# Altium PCB beter.PcbDoc
Units mil, origin at the board's own origin, x right, y up, seen from the top; angles counter-clockwise.
Board outline 6250 x 3150 mil, 2 copper layers (Top Layer, Bottom Layer); 76 components, 74 nets, 285 pads, 42 vias.
Unrouted connection lines stored in the file: 3.
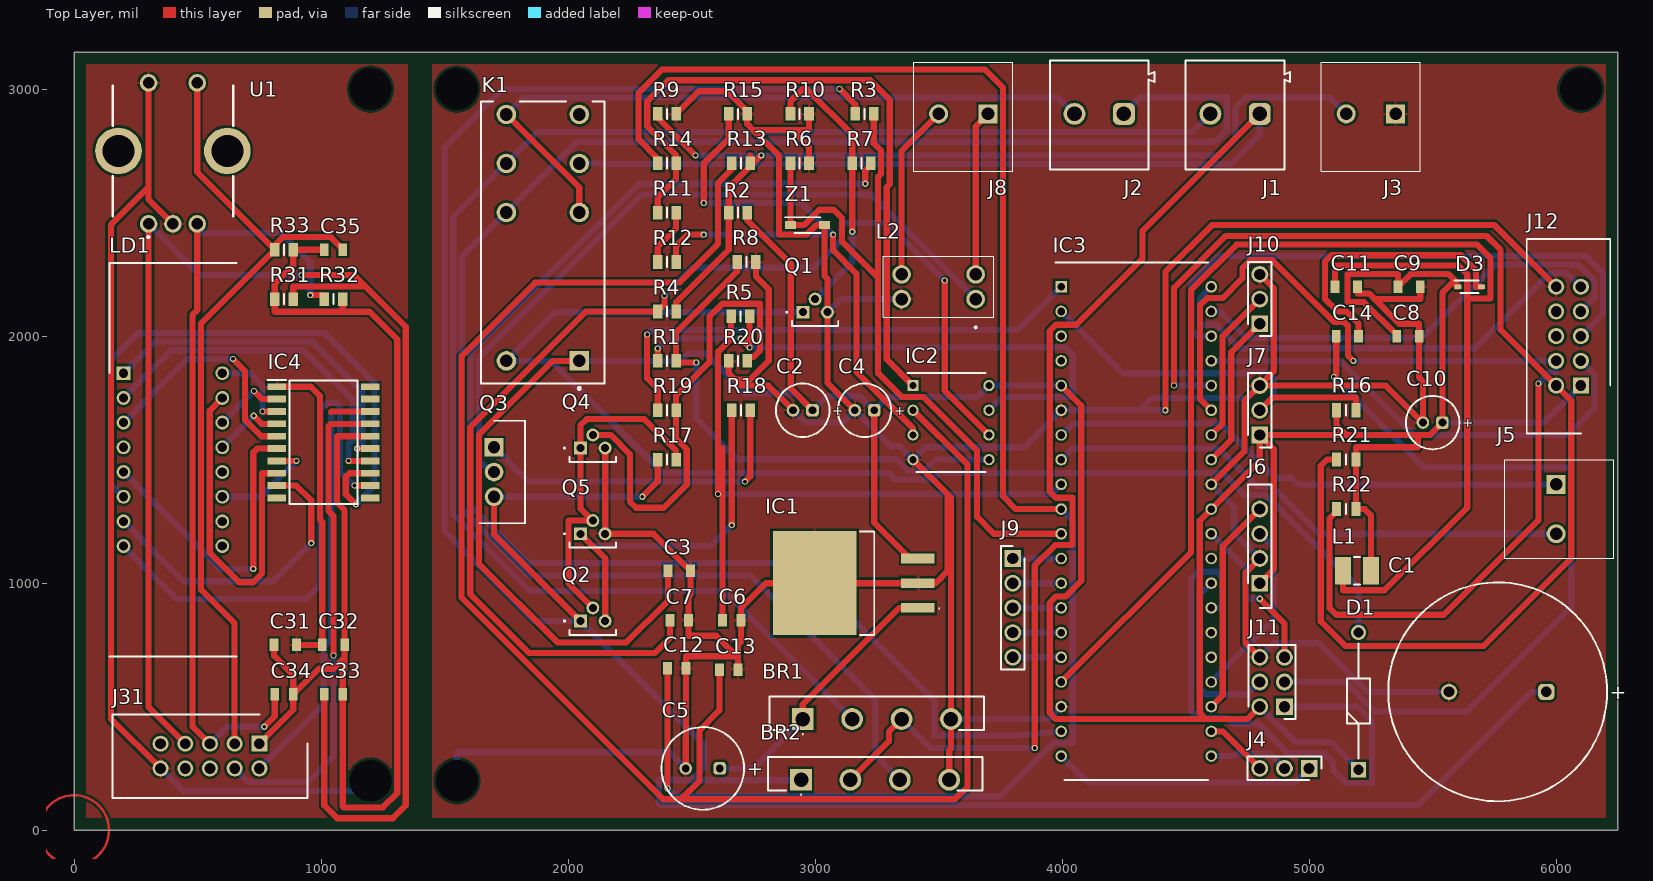
[diagram p0: Top Layer view]
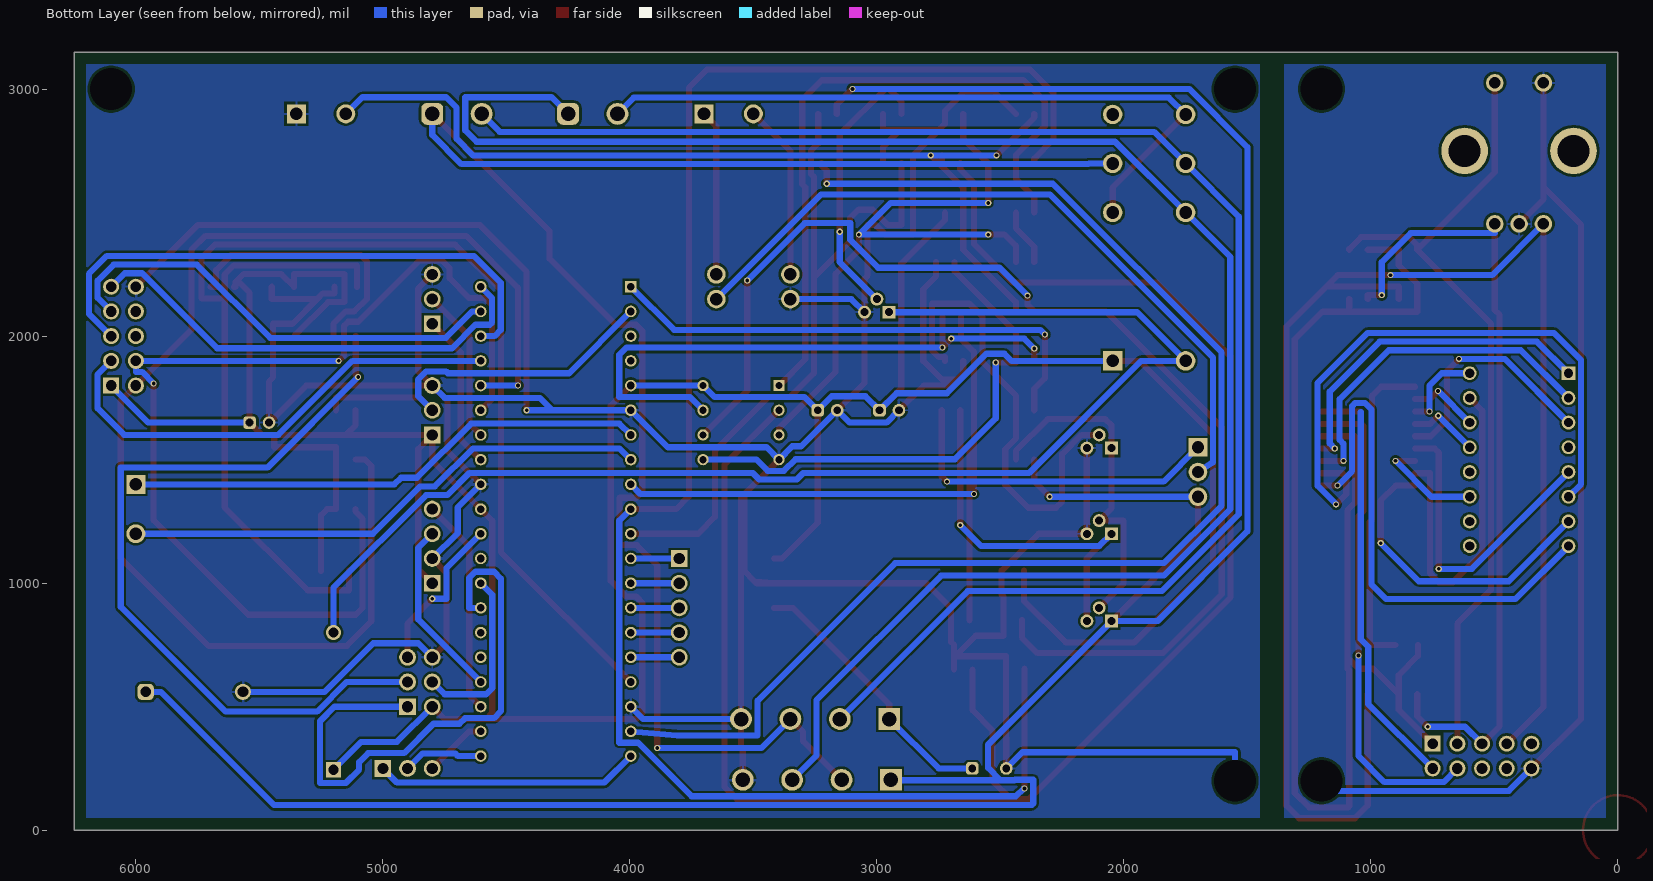
[diagram p1: Bottom Layer view, seen from below]
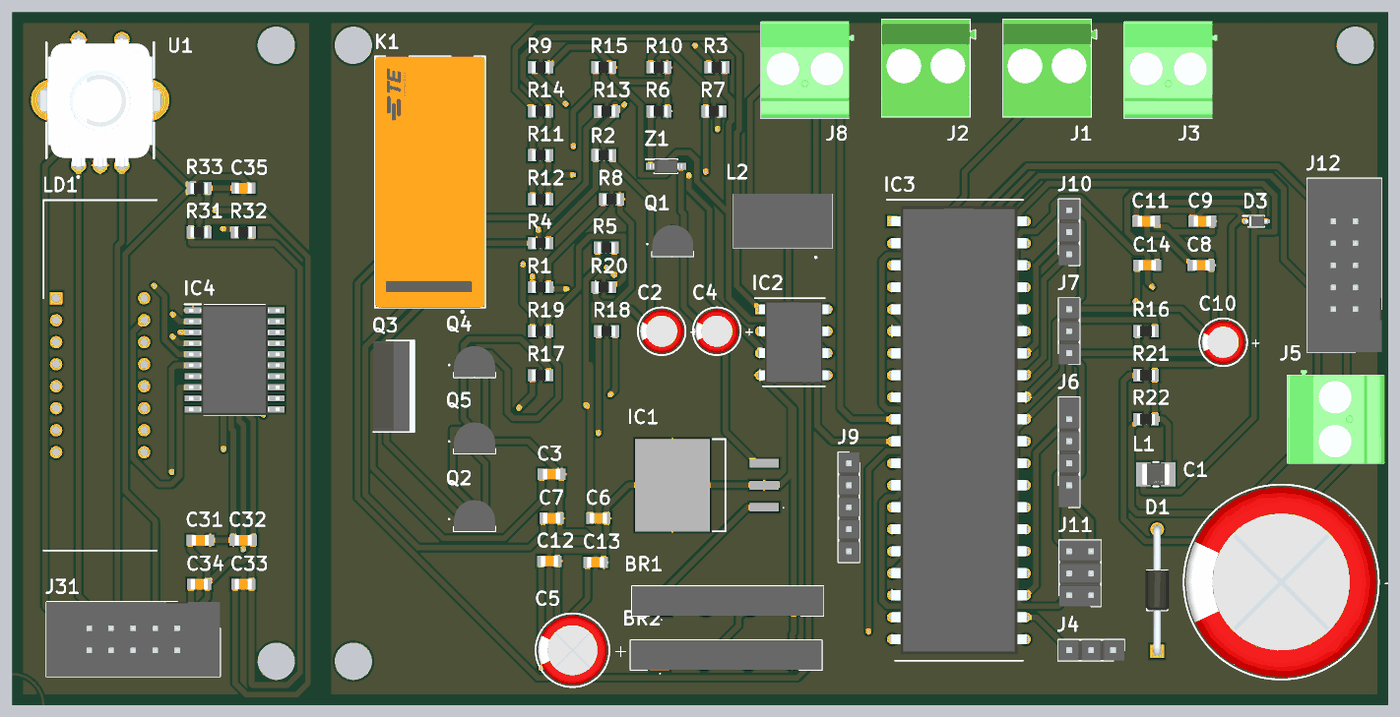
[diagram p2: 3D render of the assembled board from above, using the file's embedded part models]

## Layer stack, top to bottom
Top Solder: solder mask 0.4, Solder Resist, Dk 3.5
Top Layer: signal copper 1.4
Dielectric 1: dielectric 12.6, FR-4, Dk 4.8
Bottom Layer: signal copper 1.4
Bottom Solder: solder mask 0.4, Solder Resist, Dk 3.5

## Board outline
0,0 6250,0 6250,3150 0,3150
board region "Default Layer Stack Region": 1400,0 0,0 0,3150 1400,3150
board region "Default Layer Stack Region": 1400,3150 6250,3150 6250,0 1400,0

## Design rules (kind name [scope] priority, off if disabled: settings)
Clearance Clearance_1 [InNamedPolygon('GND_L01_P000') Or InNamedPolygon('GND_L01_P001') Or InNamedPolygon('GND_L02_P002') Or InNamedPolygon('GND_L02_P003')] p1: gap=10 ignorepadtopadclearanceinfootprint=FALSE except(0: Arc-Hole Track-Hole SMDPad-Hole THPad-Hole Via-Hole Fill-Hole Poly-Hole Region-Hole Text-Hole)
Clearance [All] p2: gap=1 ignorepadtopadclearanceinfootprint=FALSE except(0: Arc-Hole Track-Hole SMDPad-Hole THPad-Hole Via-Hole Fill-Hole Poly-Hole Region-Hole Text-Hole; 10: Arc-Arc Arc-Track Arc-SMDPad Arc-THPad Arc-Via Arc-Fill Arc-Poly Arc-Region Arc-Text Track-Track Track-SMDPad Track-THPad Track-Via Track-Fill Track-Poly Track-Region Track-Text)
HoleSize [All] p1: absolutevalues=TRUE maxlimit=393.7 minlimit=0.98 maxpercent=80.000 minpercent=20.000
PolygonConnect [All] p1: connectstyle=Relief reliefconductorwidth=10 reliefentries=4 polygonreliefangle="90 Angle" airgapwidth=10
RoutingVias [All] p1: holewidth=15 width=25 viastyle="Through Hole" minholewidth=15 minwidth=25 maxholewidth=15 maxwidth=25
SolderMaskExpansion [All] p1: expansion=4 istentingtop=FALSE
Width [All] p1: maxlimit=50 minlimit=25 preferedwidth=25 minimp=50.000000 maximp=50.000000 favimp=50.000000
29 further rules are at their usual default settings.

## Classes and differential pairs
component class Voeding: BR1 BR2 C1 C4 C5 D1 IC1 J1 J2 K1 Q1 R3 R6 R7 R10 Z1
component class Processor: C8 C9 C10 C11 C14 D3 IC3 J4 J5 J6 J7 J9 J10 J11 J12 L1 R16 R21 R22
component class Opamp: C2 C3 C6 C7 C12 C13 IC2 J3 R1 R2 R4 R5 R8 R9 R11 R12 R13 R14 R15
component class Display: C31 C32 C33 C34 C35 IC4 J31 LD1 R31 R32 R33 U1
component class BoutVoeding: J8 L2 Q2 Q3 Q4 Q5 R17 R18 R19 R20

## Components (designator, comment, footprint, x,y, rotation, side; value= is the part's Value field where it differs from the comment)
BR1 "GBU6J-E3_45" "Bridge rectifier" 2950,450 r180 top
BR2 "GBU6J-E3_45" "Bridge rectifier" 2942.89,204 r180 top
C1 "ESK478M050AQ3AA" "4700µF 50V" 5763.15,560 r0 top
C2 "EEU-FR1H100" "10µF 50V" 2950,1700 r0 top
C3 "C0805C104K5RAC7411" 100nF 2450,1050 r0 top
C4 "EEU-FR1H100" "10µF 50V" 3200,1700 r0 top
C5 "EEU-FR1H100" 100µF 2545,250 r0 top
C6 "C0805C103K5TACAUTO" 10nF 2662.6,850 r0 top
C7 "C0805C103K5TACAUTO" 10nF 2450,850 r0 top
C8 "C0805C104K5RAC7411" 100nF 5400,2000 r0 top
C9 "C0805C104K5RAC7411" 100nF 5404.72,2200 r0 top
C10 "EEU-FR1H100" "10µF 50V" 5500,1650 r0 top
C11 "C0805C104K5RAC7411" 100nF 5150,2200 r0 top
C12 "C0805C103K5TACAUTO" 10nF 2440,655 r0 top
C13 "C0805C103K5TACAUTO" 10nF 2650,650 r0 top
C14 "C0805C104K5RAC7411" 100nF 5154.72,2000 r0 top
C31 "C0805C104K5RAC7411" 100nF 854.72,750 r0 top
C32 "C0805C104K5RAC7411" 100nF 1050,750 r180 top
C33 "C0805C103K5TACAUTO" 10nF 1050,550 r180 top
C34 "C0805C103K5TACAUTO" 10nF 850,550 r180 top
C35 "C0805C103K5TACAUTO" 10nF 1050,2350 r0 top
D1 "1N4007G-T" D1 5200,244.88 r90 top
D3 "1N4148WS_R1_00001" SODFL2512X95N 5650,2200 r0 top
IC1 "TL780-05CKTTR" IC1 3150,1000 r90 top
IC2 "MCP6002-E_P" DIP781W56P254L950H533Q8N 3550,1650 r0 top
IC3 "ATMEGA4809-PF" DIP1543W58P254L5175H635Q40N 4300,1250 r0 top
IC4 "TM1637" DisplayIC 1010,1570 r0 top
J1 "1711725" Phoenix 4700,2896.06 r180 top
J2 "1711725" Phoenix 4150,2896.06 r180 top
J3 "1711725" 1711725 5350,2900 r180 top
J4 "10129378-903001BLF" HDRV3W67P0X254_1X3_762X241X858P 5000,250 r180 top
J5 "1711725" 1711725 6000,1400 r270 top (schematic designator 5)
J6 "10129378-904001BLF" HDRV4W67P0X254_1X4_1270X241X858P 4800,1000 r90 top
J7 "10129378-903001BLF" HDRV3W67P0X254_1X3_762X241X858P 4800,1600 r90 top
J8 "1711725" 1711725 3700,2900 r180 top
J9 "10129378-905001BLF" HDRV5W67P0X254_1X5_1270X241X858P 3800,1100 r270 top
J10 "10129378-903001BLF" HDRV3W67P0X254_1X3_762X241X858P 4800,2050 r90 top
J11 "10129381-906002BLF" HDRV6W67P254_2X3_762X483X858P 4900,500 r90 top
J12 "N2510-6002RB" 1PinBox 6100,1800 r90 top
J31 "N2510-6002RB" SHDR10W64P254_2X5_2002X859X991P 750,350 r180 top
K1 "RT424615" FP-RT424615-MFG 1897.64,2378.35 r90 top
L1 "CBC3225T100MR" FP-CB3225-IPC_A 5193.86,1050 r0 top
L2 "CM2545X171B-10" CM2545X171B10 3650,2150 r90 top
LD1 "TDCG1050M" Display 200,1850 r0 top
Q1 "BC547CBU" TTTT 2950,2096.85 r0 top
Q2 "BC547CBU" TTTT 2050,846.85 r0 top
Q3 "IRF9Z34NPBF" T2 1700,1550 r270 top
Q4 "BC547CBU" TTTT 2050,1546.85 r0 top
Q5 "BC557BTA" TTTT 2050,1200 r0 top
R1 "CRCW080510K0DHEAP" Resistor 2400,1900 r0 top
R2 "CR0805-JW-105ELF" Resistor 2687.4,2500 r0 top
R3 "CRCW080510K0DHEAP" Resistor 3200,2900 r0 top
R4 "CRCW08055K60FKTA" Resistor 2400,2100 r0 top
R5 "CRCW08055K60FKTA" Resistor 2697.4,2080 r0 top
R6 "CRCW080510K0DHEAP" Resistor 2937.4,2700 r0 top
R7 "CRCW080510K0DHEAP" Resistor 3187.4,2700 r0 top
R8 "CPF0805B18KE" Resistor 2722.6,2300 r0 top
R9 "CR0805-JW-105ELF" Resistor 2400,2900 r0 top
R10 "CRCW08054K70FKEAHP" Resistor 2937.4,2900 r0 top
R11 "CRCW080510K0DHEAP" Resistor 2400,2500 r0 top
R12 "CRCW080510K0DHEAP" Resistor 2400,2300 r0 top
R13 "CRCW08055K60FKTA" Resistor 2700,2700 r0 top
R14 "CRCW08055K60FKTA" Resistor 2400,2700 r0 top
R15 "CPF0805B18KE" Resistor 2687.4,2900 r0 top
R16 "CRCW08054K70FKEAHP" RESC2012X50N 5150,1700 r0 top
R17 "CRCW08054K70FKEAHP" Resistor 2400,1500 r0 top
R18 "CPF0805B18KE" Resistor 2700,1700 r0 top
R19 "CRCW080510K0DHEAP" Resistor 2400,1700 r0 top
R20 "CRCW08054K70FKEAHP" Resistor 2687.4,1900 r180 top
R21 "CRCW08054K70FKEAHP" RESC2012X50N 5150,1500 r0 top
R22 "CRCW08054K70FKEAHP" RESC2012X50N 5150,1300 r0 top
R31 "CRCW080510K0DHEAP" Resistor 850,2150 r0 top
R32 "CRCW080510K0DHEAP" Resistor 1050,2150 r180 top
R33 "CRCW080510K0DHEAP" Resistor 850,2350 r180 top
U1 "PEC11R-4225F-S0024" PEC12R-4XXXF-SXXXX_1 400,2750 r0 top
Z1 "SZMMSZ5231BT1G" Zener 2968.9,2450 r0 top

## Footprints (in the part's own frame and the unit in brackets; to place one, negate y for a bottom-side part, rotate by r counter-clockwise, add the part's x,y. Pads: shape width x height; smd on the part's side, far side on the other; paste and mask are expansions set on the pad)
1PinBox [mm]
  rect 1.65x1.65 hole 1.1: 1(0,0)
  round 1.65 hole 1.1: 2(0,2.54) 3(2.54,0) 4(2.54,2.54) 5(5.08,0) 6(5.08,2.54) 7(7.62,0) 8(7.62,2.54) 9(10.16,0) 10(10.16,2.54)
  silkscreen extent -4.93,-3.02 15.09,5.56, body extent -4.93,-3.03 15.09,5.57, height 9.91
10nF [mm] "Ceramic Capacitors, body 2x1.25mm"
  rect 0.9x1.3 smd: 1(-0.95,0) 2(0.95,0)
  body extent -1,-0.62 1,0.63, height 0.8
"10µF 50V" [mm] "Aluminum Electrolytic Capacitors, 5x11mm"
  rrect50% 1.3x1.3 hole 0.8: 1(1,0)
  round 1.3 hole 0.8: 2(-1,0)
  silkscreen extent -2.75,-2.75 2.75,2.75, body extent -2.49,-2.5 2.5,2.5, height 11.31
100nF [mm] "Ceramic Capacitors, body 2x1.25mm"
  rect 0.9x1.3 smd: 1(-1.15,0) 2(1.15,0)
  body extent -1,-0.63 1,0.63, height 0.8
100µF [mm] "Aluminum Electrolytic Capacitors, 8x11.5mm"
  rrect50% 1.3x1.3 hole 0.8: 1(1.75,0)
  round 1.3 hole 0.8: 2(-1.75,0)
  silkscreen extent -4.25,-4.25 4.25,4.25, body extent -3.99,-4 4,4, height 11.81
"4700µF 50V" [mm] "Aluminum Electrolytic Capacitors, 22x41mm"
  rrect50% 1.65x1.65 hole 1.1: 1(5,0)
  round 1.65 hole 1.1: 2(-5,0)
  silkscreen extent -11.25,-11.25 11.25,11.25, body extent -10.99,-11 11,11, height 41.31
1711725 [mm]
  rect 1.95x1.95 hole 1.3: 1(0,0)
  round 1.95 hole 1.3: 2(5.08,0)
  silkscreen extent -2.54,-5.3 7.62,5.9, body extent -3.12,-5.3 7.61,5.9, height 18.41
"Bridge rectifier" [mm]
  rect 2.235x2.235 hole 1.49: 1(0,0)
  round 2.235 hole 1.49: 2(-5.08,0) 3(-10.16,0) 4(-15.24,0)
  silkscreen extent -18.65,-2.32 3.41,1.6, body extent -18.65,-2.32 3.4,1.11, height 18.9
CM2545X171B10 [mil]
  round 75 hole 50: 1(0,0) 2(100,0) 3(100,300) 4(0,300)
  silkscreen extent -118,-74 174,374, body extent -74,-74 174,374, height 378
D1 [mm]
  rect 1.575x1.575 hole 1.05: 1(0,0)
  round 1.575 hole 1.05: 2(14.1,0)
  silkscreen extent 1.14,-1.18 12.96,1.18, body extent -0.43,-1.36 14.51,1.36, height 2.71
DIP781W56P254L950H533Q8N [mm]
  rect 1.158x1.158 hole 0.758: 1(-3.905,3.81)
  round 1.158 hole 0.758: 2(-3.905,1.27) 3(-3.905,-1.27) 4(-3.905,-3.81) 5(3.905,-3.81) 6(3.905,-1.27) 7(3.905,1.27) 8(3.905,3.81)
  silkscreen extent -4.48,-5.08 3.56,5.08, body extent -4.04,-4.75 4.04,4.75, height 5.33
DIP1543W58P254L5175H635Q40N [mm]
  rect 1.184x1.184 hole 0.784: 1(-7.715,24.13)
  round 1.184 hole 0.784: 2(-7.715,21.59) 3(-7.715,19.05) 4(-7.715,16.51) 5(-7.715,13.97) 6(-7.715,11.43) 7(-7.715,8.89) 8(-7.715,6.35) 9(-7.715,3.81) 10(-7.715,1.27) 11(-7.715,-1.27) 12(-7.715,-3.81) 13(-7.715,-6.35) 14(-7.715,-8.89) 15(-7.715,-11.43) 16(-7.715,-13.97) 17(-7.715,-16.51) 18(-7.715,-19.05) 19(-7.715,-21.59) 20(-7.715,-24.13) 21(7.715,-24.13) 22(7.715,-21.59) 23(7.715,-19.05) 24(7.715,-16.51) 25(7.715,-13.97) 26(7.715,-11.43) 27(7.715,-8.89) 28(7.715,-6.35) 29(7.715,-3.81) 30(7.715,-1.27) 31(7.715,1.27) 32(7.715,3.81) 33(7.715,6.35) 34(7.715,8.89) 35(7.715,11.43) 36(7.715,13.97) 37(7.715,16.51) 38(7.715,19.05) 39(7.715,21.59) 40(7.715,24.13)
  silkscreen extent -8.31,-26.61 7.37,26.61, body extent -7.86,-25.88 7.86,25.88, height 6.35
Display [mm]
  rect 1.425x1.425 hole 0.95: 1(0,0)
  round 1.425 hole 0.95: 2(0,-2.54) 3(0,-5.08) 4(0,-7.62) 5(0,-10.16) 6(0,-12.7) 7(0,-15.24) 8(0,-17.78) 9(10.16,-17.78) 10(10.16,-15.24) 11(10.16,-12.7) 12(10.16,-10.16) 13(10.16,-7.62) 14(10.16,-5.08) 15(10.16,-2.54) 16(10.16,0)
  silkscreen extent -1.45,-29.12 11.61,11.34
DisplayIC [mm]
  rect 1.9x0.7 smd: 1(-4.8,5.715) 2(-4.8,4.445) 3(-4.8,3.175) 4(-4.8,1.905) 5(-4.8,0.635) 6(-4.8,-0.635) 7(-4.8,-1.905) 8(-4.8,-3.175) 9(-4.8,-4.445) 10(-4.8,-5.715) 11(4.8,-5.715) 12(4.8,-4.445) 13(4.8,-3.175) 14(4.8,-1.905) 15(4.8,-0.635) 16(4.8,0.635) 17(4.8,1.905) 18(4.8,3.175) 19(4.8,4.445) 20(4.8,5.715)
  silkscreen extent -5.75,-6.35 3.5,6.42, body extent -5.23,-6.35 5.23,6.35, height 2.8
FP-CB3225-IPC_A [mil]
  rect 65.14x110.48 smd paste+0 mask+0: 1(-56.14,0) 2(56.14,0)
  silkscreen extent -12,-55 12,55, body extent -108,-75 108,75, height 10
FP-RT424615-MFG [mm]
  round 2 hole 1.3 paste-1000 mask+0: 11(8.15,-3.75) 12(3.11,-3.75) 14(13.19,-3.75) 21(8.15,3.75) 22(3.11,3.75) 24(13.19,3.75) A2(-12.15,3.75)
  rect 2x2 hole 1.3 paste-1000 mask+0: A1(-12.15,-3.75)
  silkscreen extent -15.1,-6.35 14.5,6.35, body extent -14.6,-6.45 14.6,6.45, height 0.25
HDRV3W67P0X254_1X3_762X241X858P [mm]
  rect 1.725x1.725 hole 1.15: 1(0,0)
  round 1.725 hole 1.15: 2(2.54,0) 3(5.08,0)
  silkscreen extent -1.27,-1.2 6.35,1.2, body extent -1.27,-1.2 6.35,1.2, height 8.58
HDRV4W67P0X254_1X4_1270X241X858P [mm]
  rect 1.725x1.725 hole 1.15: 1(0,0)
  round 1.725 hole 1.15: 2(2.54,0) 3(5.08,0) 4(7.62,0)
  silkscreen extent -2.54,-1.2 10.16,1.2, body extent -2.54,-1.2 10.16,1.2, height 8.58
HDRV5W67P0X254_1X5_1270X241X858P [mm]
  rect 1.725x1.725 hole 1.15: 1(0,0)
  round 1.725 hole 1.15: 2(2.54,0) 3(5.08,0) 4(7.62,0) 5(10.16,0)
  silkscreen extent -1.27,-1.2 11.43,1.2, body extent -1.27,-1.2 11.43,1.2, height 8.58
HDRV6W67P254_2X3_762X483X858P [mm]
  rect 1.725x1.725 hole 1.15: 1(0,0)
  round 1.725 hole 1.15: 2(0,2.54) 3(2.54,0) 4(2.54,2.54) 5(5.08,0) 6(5.08,2.54)
  silkscreen extent -1.27,-1.14 6.35,3.68, body extent -1.27,-1.14 6.35,3.68, height 8.58
IC1 [mm]
  rect 1x3.4 smd: 1(-2.54,-6.745) 2(0,-6.745) 3(2.54,-6.745)
  rect 10.7x8.6 smd: 4(0,3.855)
  silkscreen extent -5.33,-9 5.33,-0.8
PEC12R-4XXXF-SXXXX_1 [mm]
  round 1.8 hole 1.2: 1(-2.5,-7.5) 2(2.5,-7.5) 3(0,-7.5) 4(-2.5,7) 5(2.5,7)
  round 4.8 hole 3.28: 6(5.6,0) 7(-5.6,0)
  silkscreen extent -6.2,-8.95 6.2,6.7, body extent -7,-7.75 6.99,7.15, height 31.51
Phoenix [mm] "Serie 2535 - 5.08 mm _ 2 pins"
  rrect50% 2.25x2.25 hole 1.5: 1(-2.54,-0.1)
  round 2.25 hole 1.5: 2(2.54,-0.1)
  silkscreen extent -5.67,-5.6 5.08,5.6, body extent -5.67,-5.6 5.09,5.6, height 18.1
RESC2012X50N [mm]
  rect 0.95x1.45 smd: 1(-1,0) 2(1,0)
  silkscreen extent 0,-0.53 0,0.53, body extent -1.02,-0.63 1.02,0.63, height 0.5
Resistor [mm]
  rect 1x1.4 smd: 1(-0.95,0) 2(0.95,0)
  silkscreen extent 0,-0.53 0,0.53, body extent -1,-0.63 1,0.63, height 0.6
SHDR10W64P254_2X5_2002X859X991P [mm]
  rect 1.65x1.65 hole 1.1: 1(0,0)
  round 1.65 hole 1.1: 2(0,2.54) 3(2.54,0) 4(2.54,2.54) 5(5.08,0) 6(5.08,2.54) 7(7.62,0) 8(7.62,2.54) 9(10.16,0) 10(10.16,2.54)
  silkscreen extent -4.93,-3.02 15.09,5.56, body extent -4.93,-3.03 15.09,5.57, height 9.91
SODFL2512X95N [mm]
  rect 0.72x0.42 smd: 1(-1.2,0) 2(1.2,0)
  silkscreen extent -1.56,-0.62 0.93,0.62, body extent -1.25,-0.63 1.25,0.63, height 0.95
T2 [mm]
  rect 1.92x1.92 hole 1.28: 1(0,0)
  round 1.92 hole 1.28: 2(2.54,0) 3(5.08,0)
  silkscreen extent -2.73,-1.49 7.81,3.2, body extent -2.67,-1.5 7.75,3.19, height 18.84
TTTT [mm]
  rect 1.333x1.333 hole 0.82: 1(0,0)
  round 1.333 hole 0.82: 2(1.27,1.35) 3(2.54,0)
  silkscreen extent -1.7,-1.43 3.65,0.05, body extent -1.11,-1.43 3.65,2.19, height 5.43
Zener [mm]
  rect 1.15x0.8 smd: 1(-1.75,0) 2(1.75,0)
  silkscreen extent -2.33,-0.8 1.34,0.8, body extent -1.86,-0.8 1.86,0.8, height 1.35

## Part data
BR1 BR2: "Bridge Rectifier", Manufacturer_Name=Vishay, Manufacturer_Part_Number=GBU6J-E3/45, Datasheet Link=http://www.vishay.com/docs/88615/gbu6a.pdf, Height=18.8mm
C1: "Capacitor Polarised 50V 4700uF", Manufacturer_Name=Kemet, Mouser2 Part Number=80-ESK478M050AQ3AA, Datasheet Link=https://componentsearchengine.com//ESK478M050AQ3AA.pdf, Height=37mm, Manufacturer_Part_Number=ESK478M050AQ3AA, Mouser2 Price/Stock=https://www.mouser.com/Search/Refine.aspx?Keyword=80-ESK478M050AQ3AA
C2 C4 C5 C10: "Capacitor Polarised 50VDC 10uF", Manufacturer_Name=Panasonic, Mouser2 Part Number=667-EEU-FR1H100, Datasheet Link=https://componentsearchengine.com//EEU-FR1H100.pdf, Height=12.5mm, Manufacturer_Part_Number=EEU-FR1H100, Mouser2 Price/Stock=https://www.mouser.com/Search/Refine.aspx?Keyword=667-EEU-FR1H100
C3 C8 C9 C11 C14 C32: "Capacitor  0.1 uF 50VDC", Manufacturer_Name=Kemet, Mouser2 Part Number=80-C0805C104K5RACLR, Datasheet Link=https://componentsearchengine.com//C0805C104K5RAC7411.pdf, Height=0.88mm, Manufacturer_Part_Number=C0805C104K5RAC7411, Mouser2 Price/Stock=https://www.mouser.com/Search/Refine.aspx?Keyword=80-C0805C104K5RACLR
C6 C7 C12 C13 C33 C34 C35: "Capacitor 0.01µF 50VDC", Manufacturer_Name=Kemet, Height=0.88mm, Manufacturer_Part_Number=C0805C103K5TACAUTO
C31: "Capacitor  100 uF 50VDC", Manufacturer_Name=Kemet, Mouser2 Part Number=80-C0805C104K5RACLR, Datasheet Link=https://componentsearchengine.com//C0805C104K5RAC7411.pdf, Height=0.88mm, Manufacturer_Part_Number=C0805C104K5RAC7411, Mouser2 Price/Stock=https://www.mouser.com/Search/Refine.aspx?Keyword=80-C0805C104K5RACLR
D1: "Diode", Manufacturer_Name="Diodes Inc.", Mouser2 Part Number=621-1N4007G-T, Datasheet Link=https://componentsearchengine.com//1N4007G-T.pdf, Manufacturer_Part_Number=1N4007G-T, Mouser2 Price/Stock=https://www.mouser.com/Search/Refine.aspx?Keyword=621-1N4007G-T
D3: "Diode", Manufacturer_Name=PANJIT, Datasheet Link=https://www.mouser.it/datasheet/2/1057/1N4148WS-1869723.pdf, Height=0.95mm, Manufacturer_Part_Number=1N4148WS_R1_00001
IC1: "Integrated Circuit", Manufacturer_Name="Texas Instruments", Datasheet Link=http://www.ti.com/general/docs/suppproductinfo.tsp?distId=26&gotoUrl=http%3A%2F%2Fwww.ti.com%2Flit%2Fgpn%2Ftl780, Height=5.08mm, Manufacturer_Part_Number=TL780-05CKTTR
IC2: "Integrated Circuit, opamp", Manufacturer_Name=Microchip, Manufacturer_Part_Number=MCP6002-E/P, Mouser2 Part Number=579-MCP6002-E/P, Datasheet Link=https://componentsearchengine.com//MCP6002-E_P.pdf, Height=5.334mm, Mouser2 Price/Stock=https://www.mouser.com/Search/Refine.aspx?Keyword=579-MCP6002-E%2FP
IC3: "Integrated Circuit", Manufacturer_Name=Microchip, Mouser2 Part Number=556-ATMEGA4809-PF, Datasheet Link=https://componentsearchengine.com//ATMEGA4809-PF.pdf, Height=6.35mm, Manufacturer_Part_Number=ATMEGA4809-PF, Mouser2 Price/Stock=https://www.mouser.com/Search/Refine.aspx?Keyword=556-ATMEGA4809-PF
IC4: "LED Drive Control Special Circuit", Package=Package, Availability="Not in stock", Check_prices=https://www.snapeda.com/parts/TM1637/Titan+Micro+Electronics/view-part/?ref=eda, MF="Titan Micro Electronics", MP=TM1637, Price=None, SnapEDA_Link=https://www.snapeda.com/parts/TM1637/Titan+Micro+Electronics/view-part/?ref=snap
J1 J2 J3 J5 J8: "Connector", Manufacturer_Name="Phoenix Contact", Datasheet Link=http://www.phoenixcontact.com/de/produkte/1711725/pdf, Height=18.2mm, Manufacturer_Part_Number=1711725
J4 J6 J7 J10: "Connector", Manufacturer_Name=Amphenol, Height=8.58mm
  J4 J7 J10: Manufacturer_Part_Number=10129378-903001BLF
  J6: Datasheet Link=https://cdn.amphenol-icc.com/media/wysiwyg/files/drawing/10129378.pdf, Manufacturer_Part_Number=10129378-904001BLF
J9: "Connector", Manufacturer_Name="FCI Electronics", Datasheet Link=https://cdn.amphenol-icc.com/media/wysiwyg/files/drawing/10129378.pdf, Height=8.58mm, Manufacturer_Part_Number=10129378-905001BLF
J11: "Connector", Manufacturer_Name=Amphenol, Mouser2 Part Number=649-1012938190602BLF, Datasheet Link=https://componentsearchengine.com//10129381-906002BLF.pdf, Height=8.58mm, Manufacturer_Part_Number=10129381-906002BLF, Mouser2 Price/Stock=https://www.mouser.com/Search/Refine.aspx?Keyword=649-1012938190602BLF
J12 J31: "Connector", Manufacturer_Name=3M, Mouser2 Part Number=517-N2510-6002RB, Datasheet Link=https://componentsearchengine.com//N2510-6002RB.pdf, Height=9.91mm, Manufacturer_Part_Number=N2510-6002RB, Mouser2 Price/Stock=https://www.mouser.com/Search/Refine.aspx?Keyword=517-N2510-6002RB
K1: library part CMP-03395-000241-1, "RELAY GEN PURPOSE DPDT 8A 115V", Case/Package=DIP, Coil Resistance=8.1kR, Coil Voltage (AC)=115V, Contact Current Rating=8A, Max Current Rating=15A, Max Operating Temperature=70°C, Max Voltage Rating (AC)=400V, Min Operating Temperature=-40°C, Package Quantity=500, Power Rating=760mW, Ratings=IP54, Switching Capacity=2kW, Application(s)=POWER, Approvals=CSA, Coil Type=Non-Latching, Contact Material=Silver, Current Rating=8A, Depth=12.7mm, Height=15.7mm, Length=29mm, Mount="Through Hole", Number of Pins=8, Operate Time=8ms, Packaging=Rail/Tube, Radiation Hardening=No, Relay Type="General Purpose", RoHS Compliant=Yes, Series="RT2, SCHRACK", Switching Current=8A, Termination="PC Pin", Throw Configuration=DPDT, Voltage Rating (AC)=400V, Width=12.7mm
L1: library part CMP-14484-000123-1, "SMD Inductors 10uH ±20% 0.9A 0.1729Ω 1210", Case Code (Imperial)=1210, Case Code (Metric)=3225, Current Rating=900mA, DC Resistance (DCR)=172.9mR, Inductance=10uH, Inductance Tolerance=20%, Max Operating Temperature=105°C, Min Operating Temperature=-40°C, Package Quantity=1000, Resistor Type=Wirewound, Self Resonant Frequency=23MHz, Test Frequency=100kHz, Case/Package=1210, Core Material=Ferrite, DC Current=900mA, Depth=2.7mm, Halogen Free="Halogen Free", Height=2.5mm, Height - Seated (Max)=0.106inch, Lead Free="Lead Free", Length=3.4mm, Max DC Current=900mA, Military Standard=Not, Mount="Surface Mount", Number of Pins=2, Packaging="Tape and Reel", Radiation Hardening=No, Saturation Current=900mA, Series=CB, Shielding=Unshielded, Termination=SMD/SMT, Tolerance=20%, Width=0.098inch
L2: "Transformer", Manufacturer_Name="Laird Technologies", Datasheet Link=https://datasheet.datasheetarchive.com/originals/dk/DKDS-7/122753.pdf, Height=9.5mm, Manufacturer_Part_Number=CM2545X171B-10
LD1: "Display", Manufacturer_Name=Vishay, Mouser2 Part Number=78-TDCG1050, Datasheet Link=https://componentsearchengine.com//TDCG1050M.pdf, Height=7.25mm, Manufacturer_Part_Number=TDCG1050M, Mouser2 Price/Stock=https://www.mouser.com/Search/Refine.aspx?Keyword=78-TDCG1050
Q1 Q2 Q4: "Transistor BJT NPN", Manufacturer_Name="ON Semiconductor", Datasheet Link=https://www.onsemi.com/pdf/datasheet/bc550-d.pdf, Height=5.33mm, Manufacturer_Part_Number=BC547CBU
Q3: "MOSFET (P-Channel)", Manufacturer_Name=Infineon, Mouser2 Part Number=942-IRF9Z34NPBF, Datasheet Link=https://componentsearchengine.com//IRF9Z34NPBF.pdf, Height=4.69mm, Manufacturer_Part_Number=IRF9Z34NPBF, Mouser2 Price/Stock=https://www.mouser.com/Search/Refine.aspx?Keyword=942-IRF9Z34NPBF
Q5: "Transistor BJT PNP", Manufacturer_Name="ON Semiconductor", Mouser2 Part Number=512-BC557BTA, Datasheet Link=https://componentsearchengine.com//BC557BTA.pdf, Height=4.19mm, Manufacturer_Part_Number=BC557BTA, Mouser2 Price/Stock=https://www.mouser.com/Search/Refine.aspx?Keyword=512-BC557BTA
R1 R6 R7 R11 R12 R19 R31 R32 R33: "Resistor 10KOhm", Manufacturer_Name=Vishay, Datasheet Link=https://www.arrow.com/en/products/crcw080510k0dheap/vishay, Height=0.5mm, Manufacturer_Part_Number=CRCW080510K0DHEAP
R2 R9: "Resistor 1MOhm", Manufacturer_Name=Bourns, Datasheet Link=https://www.bourns.com/pdfs/chpreztr.pdf, Height=0.6mm, Manufacturer_Part_Number=CR0805-JW-105ELF
R3: "Resistor 68KOhm", Manufacturer_Name=Vishay, Datasheet Link=https://www.arrow.com/en/products/crcw080510k0dheap/vishay, Height=0.5mm, Manufacturer_Part_Number=CRCW080510K0DHEAP
R4 R5 R13 R14: "Resistor 5.6KOhm", Manufacturer_Name=Vishay, Datasheet Link=http://www.vishay.com/docs/20035/dcrcwe3.pdf, Height=0.5mm, Manufacturer_Part_Number=CRCW08055K60FKTA
R8 R15: "Resistor 510Ohm", Manufacturer_Name="TE Connectivity", Datasheet Link=https://datasheet.datasheetarchive.com/originals/distributors/DKDS-21/401696.pdf, Height=0.65mm, Manufacturer_Part_Number=CPF0805B18KE
R10 R16 R17 R20 R21 R22: "Resistor 4.7KOhm", Manufacturer_Name=Vishay, Mouser2 Part Number=71-CRCW08054K70FKEAH, Datasheet Link=https://componentsearchengine.com//CRCW08054K70FKEAHP.pdf, Height=0.5mm, Manufacturer_Part_Number=CRCW08054K70FKEAHP, Mouser2 Price/Stock=https://www.mouser.com/Search/Refine.aspx?Keyword=71-CRCW08054K70FKEAH
R18: "Resistor 100Ohm", Manufacturer_Name="TE Connectivity", Datasheet Link=https://datasheet.datasheetarchive.com/originals/distributors/DKDS-21/401696.pdf, Height=0.65mm, Manufacturer_Part_Number=CPF0805B18KE
U1: "Undefined or Miscellaneous", Manufacturer_Name=Bourns, Mouser2 Part Number=652-PEC11R-4225F-S24, Datasheet Link=https://componentsearchengine.com//PEC11R-4225F-S0024.pdf, Manufacturer_Part_Number=PEC11R-4225F-S0024, Mouser2 Price/Stock=https://www.mouser.com/Search/Refine.aspx?Keyword=652-PEC11R-4225F-S24
Z1: "Zener Diode", Manufacturer_Name="ON Semiconductor", Mouser2 Part Number=863-SZMMSZ5231BT1G, Datasheet Link=https://componentsearchengine.com//SZMMSZ5231BT1G.pdf, Height=1.35mm, Manufacturer_Part_Number=SZMMSZ5231BT1G, Mouser2 Price/Stock=https://www.mouser.com/Search/Refine.aspx?Keyword=863-SZMMSZ5231BT1G

## Free pads (board coordinates)
  round 60 hole 169.29: 1(6100,3000) 2(1550,200) 3(1550,3000) 4(1200,3000) 5(1200,200)

## Via types
v1: diameter 25, hole 15, Top Layer to Bottom Layer, 42 vias

## Nets (pads, with @x,y where several pads share a name; then routed paths per layer and width w, separated by ;. In a path a pad name is that pad's centre, name@x,y a point inside that pad or via, vN(x,y) a via of type N, cw(c..) or ccw(c..) an arc to the next point about the centre after c; other vN are vias at no path point)
+5: C2.1 C3.1 C4.1 C8.1 C9.1 C10.1 C31.1 C32.1 C33.1 C34.1 C35.1 D1.1 D3.1 IC1.3 IC2.8 IC3.5 IC3.31 IC4.16 J6.1 J7.1 J11.2 J12.1 J31.1 K1.A1 L1.2 R2.2 R16.1 R21.2 R22.2 R31.1 R32.1 R33.1 | length 19974.2
  Top Layer w25: J31.1 887.4,487.4 C34.1 ; C31.1 809.45,705.55 887.4,627.6 C34.1 ; C35.1 R33.1 887.4,2286.8 812.6,2212 R31.1 812.6,2099 1087.4,2099 ; R32.1 1087.4,2099 ; IC4.16 1065.57,1595 1065,1594.43 1065,1325 1095.28,1294.72 C32.1 1095.28,699.15 ; K1.A1 1938.53,1900 1639,1600.47 1639,1078 1957,760 2235.72,760 2404.72,929 C3.1 ; R2.2 2724.8,2469.65 2901,2293.46 2901,1788.37 C2.1 ; C4.1 3239.37,1244.63 3384,1100 IC1.3 ; IC3.5 4077.07,1719.19 4077.07,1009.07 4014,946 3975,946 3950,921 3950,475 3975,450 4582,450 ; J11.2 4750,450 4582,450 ; J6.1 4857,1057 4857,1543 J7.1 ; R16.1 5110.63,1638.74 5149.37,1600 ; L1.2 5250,1275 5225,1300 R22.2 R21.2 5189.37,1550 5439.37,1550 5439.37,1600 ; C8.1 5354.72,2005.22 5222.06,2137.88 5155.06,2137.88 5155.06,2250.98 5359.45,2250.98 C9.1 5410.55,2251.1 5564.49,2251.1 5589.98,2225.61 ; D3.1 5597,2200 5597,2218.59 5589.98,2225.61 ; C34.1 991.28,653.87 1050,653.87 1095.28,699.15 ; 1087.4,2099 1196.46,2099 1308,1987.46 1308,150 1250,92 1092,92 1087.4,96.6 C33.1 1087.4,646 1095.28,653.87 1095.28,699.15 ; 4582,450 4557,475 4557,1253.26 IC3.31 4800,1496.26 J7.1 ; J7.1 5149.37,1600 ; 5149.37,1600 5439.37,1600 ; 5439.37,1600 5489.37,1600 C10.1 5539.37,2175 5589.98,2225.61
  Bottom Layer w25: K1.A1 2455.11,1900 2483.73,1928.62 2556.74,1928.62 2716.36,1769 2920.37,1769 C2.1 3046.37,1757 3182.37,1757 C4.1 3293.37,1754 3657.74,1754 IC2.8 IC3.5 ; J11.2 4943,357 5087.88,357 D1.1 ; C10.1 5950,1650 J12.1
GND: BR1.4 BR2.4 C1.2 C2.2 C3.2 C4.2 C5.2 C6.2 C7.2 C8.2 C9.2 C10.2 C11.2 C12.2 C13.2 C31.2 C32.2 IC1.2 IC1.4 IC2.4 IC3.6 IC3.18 IC3.32 IC4.1 J3.1 J6.2 J7.3 J10.3 J11.6 J12.10 J31.10 L2.4 Q1.3 Q4.3 Q5.3 R6.2 R8.2 R9.2 R10.2 R15.2 R20.2 U1.3 U1.4 Z1.2 | length 24265.6
  Top Layer w25: U1.4 301.57,2604.57 ; J31.10 149,451 149,2452 301.57,2604.57 ; U1.3 301.57,2553.15 301.57,2604.57 ; IC4.1 959,1795 995,1759 995,1257.26 1004.72,1247.54 C32.2 C31.2 ; Q4.3 Q5.3 2345.28,1200 C3.2 2495.28,953.87 2487.4,946 C7.2 2487.4,787 2600.4,787 2683,704.4 ; R9.2 2528.82,2991.42 2644.58,2991.42 2724.8,2911.2 R15.2 2724.8,2859.2 2750,2834 ; C5.2 2476.1,374.88 2477.4,376.18 C12.2 2477.4,704.4 2683,704.4 ; R20.2 2650,1850 2675,1825 ; C13.2 2687.4,700 ; R8.2 2760,2241.99 2811.99,2190 2811.99,1900 2736.99,1825 2675,1825 ; C2.2 2810.63,1800 2700,1800 2675,1825 ; R6.2 2974.8,2766 2906.8,2834 ; R10.2 2974.8,2834 2906.8,2834 ; C4.2 3050,1810.63 Q1.3 3050,2233 3037.8,2245.2 Z1.2 3005,2450 2966.75,2411.75 2854,2411.75 2854,2730 2750,2834 ; IC2.4 3537,1359.26 ; BR2.4 3542.89,323 3550,330.11 BR1.4 3550,1346.26 3537,1359.26 ; v1(4418,1700) 4418,2260 4608,2450 5750,2450 J12.10 ; IC3.32 4738,1534.26 4738,1738 J7.3 ; J11.6 4743,757 4743,1043 J6.2 ; J10.3 4857,2193 4857,1857 J7.3 ; C11.2 5195.28,2172.88 5242.71,2172.88 5264.59,2151 ; C9.2 5450,2151 5264.59,2151 ; 2683,704.4 2687.4,700 ; 2687.4,700 2687.4,750 2700,762.6 C6.2 2700,900 2800,1000 IC1.4 IC1.2 ; 2750,2834 2906.8,2834 ; IC1.2 3487,1000 3493.5,1006.5 ; IC1.2 3493.5,1006.5 ; 3493.5,1006.5 3537,1050 3537,1359.26 ; J7.3 5310.63,1800 C10.2 5460.63,1817 5445.28,1832.35 C8.2 5445.28,2050 5365.59,2050 5264.59,2151
  Bottom Layer w25: J31.10 441,159 1159,159 1200,200 ; 1550,200 1550,315.36 2410.75,315.36 C5.2 ; C2.2 2960.63,1650 3110.63,1650 C4.2 3306.63,1554 3342.26,1554 IC2.4 3446.26,1550 3846.26,1550 IC3.6 4315,1700 ; Q1.3 3103.15,2150 L2.4 ; BR1.4 3946.26,450 IC3.18 ; v1(4418,1700) 4315,1700 ; IC3.32 4697,1306.74 4697,1203 J6.2 ; J11.6 4857,757 5039,757 5236,560 C1.2 ; J7.3 4750,1750 4365,1750 4315,1700
Net5_1: IC3.7 J5.1 | length 2124.5
  Bottom Layer w25: IC3.7 4042.07,1645.81 4643,1645.81 4862.35,1426.46 4926.46,1426.46 4952.92,1400 J5.1
Net5_2: IC3.8 J5.2 | length 2166
  Bottom Layer w25: IC3.8 4042.07,1545.81 4635,1545.81 4789.35,1391.46 4848.54,1391.46 5040,1200 J5.2
NetBR1_1: BR1.1 C5.1 IC1.1 | length 1106
  Top Layer w25: BR1.1 2950,510 3340,900 IC1.1
  Bottom Layer w25: C5.1 2750,250 BR1.1
NetBR1_2: BR1.2 J1.2 K1.21 | length 6401.1
  Bottom Layer w25: BR1.2 2632,968 1846,968 1534.7,1279.3 1534.7,2483.92 K1.21 1877.79,2827 4527,2827 J1.2
NetBR1_3: BR1.3 BR2.2 J1.1 K1.11 | length 6959.6
  Top Layer w25: BR2.2 3299,360.1 3299,399 BR1.3 ; v1(3889,333) 3889,1072 3971.19,1154.19 4042.07,1154.19 4042.07,1345.81 3975,1345.81 3950,1370.81 3950,2021 3975,2046 4058,2046 4325,2313 4325,2425 J1.1
  Bottom Layer w25: K1.11 2141,2699.21 2143.71,2696.5 4682.1,2696.5 4800,2814.4 J1.1 ; BR1.3 3467,333 v1(3889,333)
NetBR2_3: BR2.3 J2.1 K1.22 | length 7266.9
  Bottom Layer w25: BR2.3 3245,301.89 3245,526 2740,1031 1838.5,1031 1569.7,1299.8 1569.7,2320.49 K1.22 2035.96,2786.75 4620.33,2786.75 4666.79,2833.21 4666.79,2967 4317,2967 J2.1
NetC6_1: C6.1 IC3.9 R5.1 | length 2862.2
  Top Layer w25: v1(2607,1361) 2607,1547.65 ; C6.1 2625.2,1547.65 2607,1547.65 ; R5.1 2660,1990 2607,1937 2607,1547.65
  Bottom Layer w25: v1(2607,1361) 3957.26,1361 IC3.9
NetC7_1: C7.1 IC2.6 R4.1 | length 4799.2
  Top Layer w25: v1(2390,2164) 2390,2127.4 R4.1 2073,2100 1604,1631 1604,956 1843,717 2350,717 2412.6,779.6 C7.1 ; v1(3525,2225) 3525,1778.74 IC2.6
  Bottom Layer w25: v1(2390,2164) 2503.12,2277.12 2994.88,2277.12 3108,2390.23 3108,2458 3292,2458 v1(3525,2225)
NetC11_1: C11.1 IC3.17 L1.1 | length 5674.5
  Top Layer w25: IC3.17 4522,1125.74 4522,2187 4706,2371 5679.7,2371 5734,2316.7 5734,2152 5640,2152 ; C11.1 5104.72,2286.1 5603.9,2286.1 5640,2250 5640,2152 ; L1.1 5137.73,971 5305,971 5640,1306 5640,2152
NetC12_1: C12.1 IC3.10 R14.1 | length 6969.2
  Top Layer w25: R14.1 2362.6,2719 2285.41,2796.19 2285.41,2985.06 2380.35,3080 3687,3080 3761,3006 3761,1351 3812,1300 IC3.10 ; v1(2402.6,168.4) C12.1
  Bottom Layer w25: v1(2402.6,168.4) 2406.24,168.4 2437.64,137 3750,137 3967,354 4043,354 4043,1253.26 IC3.10
NetC13_1: C13.1 IC2.2 R13.1 | length 7165.2
  Top Layer w25: C13.1 2612.6,484.6 2532,404 2532,200 2457,125 ; R13.1 2662.6,2676 2607,2620.4 2607,2374 2450,2217 1867,2217 1569,1919 1569,941.5 2385.5,125 2457,125 ; IC2.2 3617,1479.26 3617,176 3566,125 2457,125
NetC14_1: C14.1 J11.3 | length 3232.3
  Top Layer w25: v1(5100,1835) 5109.45,1844.45 C14.1
  Bottom Layer w25: J11.3 5146,600 5266,480 5637,480 6061,904 6061,1468 5467,1468 v1(5100,1835)
NetC14_2: C14.2 D3.2 | length 1114.7
  Top Layer w25: C14.2 5200,2050 5150,2100 5115,2100 5064,2151 5064,2302 5089.5,2327.5 5614.5,2327.5 5675,2267 5675,2200 D3.2
NetC33_2: C33.2 J31.7 R31.2 U1.1 | length 6485.3
  Top Layer w25: U1.1 301.57,498.43 J31.7 ; R31.2 887.4,2201 1180,2201 ; v1(921,2247) 1134,2247 1180,2201 ; C33.2 1012.6,100 1064.6,48 1291,48 1343,100 1343,2038 1180,2201
  Bottom Layer w25: U1.1 509.3,2247 v1(921,2247)
NetC34_2: C34.2 J31.5 R32.2 U1.2 | length 3289.5
  Top Layer w25: U1.2 498.43,2105.43 479,2086 479,421 J31.5 ; v1(769.5,419) 812.6,462.1 C34.2 ; v1(956,2166) 1012.6,2166 R32.2
  Bottom Layer w25: U1.2 498.43,2417 839,2417 956,2300 v1(956,2166) ; J31.5 619,419 v1(769.5,419)
NetC35_2: C35.2 J31.3 R33.2 U1.5 | length 3315.2
  Top Layer w25: U1.5 498.43,2664.17 R33.2 ; J31.3 650,837 514,973 514,2051.4 R33.2 ; C35.2 1087.4,2352.6 1039,2401 845,2401 812.6,2368.6 R33.2
NetD1_2: D1.2 K1.A2 Q1.1 | length 5315.3
  Bottom Layer w25: Q1.1 1946.85,2096.85 K1.A2 1930,1900 2384,1446 3298.17,1446 3324.46,1419.7 3476.56,1419.7 3502.85,1446 4649.81,1446 4739.35,1356.46 4825,1356.46 5200,981.46 D1.2
NetIC2_1: IC2.1 R11.1 R14.2 | length 2785.4
  Top Layer w25: R11.1 2362.6,2562 2437.4,2636.8 R14.2 2437.4,2732.95 2320.41,2849.94 2320.41,2950.06 2406.35,3036 3223,3036 3301.99,2957.01 3301.99,2614.94 3290,2602.95 3290,1906.26 IC2.1
NetIC2_3: IC2.3 R12.2 R15.1 | length 2644.8
  Top Layer w25: R12.2 2437.4,2365.69 2482.71,2411 v1(2549,2411) ; v1(2549,2539) 2549,2699 2650,2800 R15.1 ; v1(3073,2411) 3073,2347 3167,2253 3167,1856 3396.26,1626.74 IC2.3
  Bottom Layer w25: v1(2549,2411) v1(3073,2411) 2945,2539 v1(2549,2539)
NetIC2_5: IC2.5 R1.2 R8.1 | length 2108.7
  Top Layer w25: v1(2519,1893) 2437.4,1893 R1.2 2437.4,2015.33 2685.2,2263.12 R8.1
  Bottom Layer w25: v1(2519,1893) 2519,1667 2684,1502 3329,1502 3376.3,1454.7 3442,1454.7 3487.3,1500 IC2.5
NetIC2_7: IC2.7 R1.1 R5.2 | length 2432.5
  Top Layer w25: R1.1 v1(2362.6,1950) ; v1(2698.8,1990) v1(2734.8,1954) R5.2
  Bottom Layer w25: v1(2362.6,1950) 2402.6,1990 v1(2698.8,1990) ; v1(2734.8,1954) 4014,1954 4043,1925 4043,1754 3757.74,1754 IC2.7
NetIC3_1: IC3.1 R19.1 | length 2080.8
  Top Layer w25: v1(2320,2007) 2320,1829 2362.6,1786.4 R19.1
  Bottom Layer w25: v1(2320,2007) 2338,2025 3821.26,2025 IC3.1
NetIC3_2: IC3.2 J7.2 R16.2 | length 1592
  Top Layer w25: J7.2 4852,1752 5189.37,1752 R16.2
  Bottom Layer w25: IC3.2 4246.26,1850 4737,1850 4744,1857 4825,1857 4857,1825 4857,1757 J7.2
NetIC3_11: IC3.11 R3.2 R6.1 Z1.1 | length 3036
  Top Layer w25: R6.1 Z1.1 2955,2450 3017,2512 3075,2512 3109,2478 3109,2382.5 3255,2236.5 ; R3.2 3237.4,2780.59 3266.99,2751 3266.99,2656.99 3255,2645 3255,2236.5 ; IC3.11 3724,1200 3656,1268 3656,1536 3438,1754 3350,1754 3255,1849 3255,2236.5
NetIC3_12: IC3.12 J9.1 | length 196.3
  Bottom Layer w25: J9.1 IC3.12
NetIC3_13: IC3.13 J9.2 | length 196.3
  Bottom Layer w25: J9.2 IC3.13
NetIC3_14: IC3.14 J9.3 | length 196.3
  Bottom Layer w25: J9.3 IC3.14
NetIC3_15: IC3.15 J9.4 | length 196.3
  Bottom Layer w25: J9.4 IC3.15
NetIC3_16: IC3.16 J9.5 | length 196.3
  Bottom Layer w25: J9.5 IC3.16
NetIC3_19: IC3.19 R7.2 | length 5453.7
  Top Layer w25: v1(3203,2617) 3203,2670.2 3224.8,2692 R7.2
  Bottom Layer w25: v1(3203,2617) 2287.64,2617 1604.7,1934.07 1604.7,1314.3 1838,1081 2926,1081 3483,524 3483,383 3809.45,383 IC3.19
NetIC3_20: IC3.20 J4.1 | length 1071.7
  Bottom Layer w25: IC3.20 4103.26,193 4943,193 J4.1
NetIC3_21: IC3.21 J4.2 | length 326.1
  Bottom Layer w25: IC3.21 4696,300 4707,311 4839,311 J4.2
NetIC3_22: IC3.22 J4.3 | length 258.4
  Top Layer w25: IC3.22 4650,400 J4.3
NetIC3_23: IC3.23 J6.4 | length 881.3
  Top Layer w25: IC3.23 4650,546.26 4650,1150 J6.4
NetIC3_24: IC3.24 J6.3 | length 728.5
  Bottom Layer w25: IC3.24 4857,853.26 4857,1143 J6.3
NetIC3_27: IC3.27 J11.1 | length 2352.3
  Bottom Layer w25: IC3.27 4650,900 4650,1021 4625,1046 4550,1046 4522,1018 4522,482 4550,454 4667,454 4690,431 4795,431 4914,312 5059,312 5096,275 5096,245 5150,191 5254,191 5254,442 5196,500 J11.1
NetIC3_28: IC3.28 J11.4 | length 718.4
  Bottom Layer w25: IC3.28 4557,953.26 4557,575 4582,550 4750,550 J11.4
NetIC3_30: IC3.30 J11.5 | length 656.1
  Top Layer w25: v1(4800,937) 4900,837 J11.5
  Bottom Layer w25: IC3.30 4743,1060.74 4743,937 v1(4800,937)
NetIC3_33: IC3.33 J10.1 | length 631.3
  Top Layer w25: IC3.33 4684.55,1580.81 4684.55,1934.55 J10.1
NetIC3_34: IC3.34 J10.2 | length 631.3
  Top Layer w25: IC3.34 4649.55,1645.81 4649.55,1999.55 J10.2
NetIC3_35: IC3.35 J12.4 R22.1 | length 4341.9
  Top Layer w25: IC3.35 4557.93,1745.81 4557.93,2125 4586.93,2154 4650,2154 4730,2234 4730,2275 4762,2307 4851.07,2307 5100,2058.07 5140.93,2058.07 5157,2042 5157,1922 v1(5179,1900) ; R22.1 5110.63,1290 5082,1261.37 5082,900 5110,872 5545,872 5928,1255 v1(5928,1808)
  Bottom Layer w25: v1(5179,1900) J12.4 6000,1855 5975,1855 v1(5928,1808)
NetIC3_36: IC3.36 J12.2 R21.1 | length 5252.2
  Top Layer w25: v1(4453,1800) 4453,2196.64 4662.36,2406 5718,2406 5775,2349 5775,2025 J12.2 6061,1739 6061,1101 5706,746 5146,746 5047,845 5047,1475 5072,1500 R21.1
  Bottom Layer w25: v1(4453,1800) IC3.36
NetIC3_37: IC3.37 J12.3 | length 1935.3
  Bottom Layer w25: IC3.37 5123,1900 5423,1600 6047.37,1600 6155,1707.63 6155,1845 J12.3
NetIC3_38: IC3.38 J12.5 | length 2313.8
  Bottom Layer w25: IC3.38 4547.93,2000 4522.93,2025 4522.93,2215.93 4631.98,2324.98 6117.02,2324.98 6190,2252 6190,2090 J12.5
NetIC3_39: IC3.39 J12.7 | length 1893.3
  Bottom Layer w25: IC3.39 4638.24,2100 4745.24,1993 5456,1993 5752.98,2289.98 6090.02,2289.98 6155,2225 6155,2155 J12.7
NetIC3_40: IC3.40 J12.9 | length 1897.8
  Bottom Layer w25: IC3.40 4557.93,2154.19 4557.93,2055 4566.93,2046 4625,2046 4720,1951 5671.02,1951 5975,2254.98 6045.02,2254.98 J12.9
NetIC4_2: IC4.2 LD1.14 | length 287.7
  Top Layer w25: v1(728,1778) 761,1745 IC4.2
  Bottom Layer w25: LD1.14 v1(728,1778)
NetIC4_3: IC4.3 LD1.16 | length 346.7
  Top Layer w25: v1(763,1695) IC4.3
  Bottom Layer w25: LD1.16 713,1850 763,1800 v1(763,1695)
NetIC4_4: IC4.4 LD1.13 | length 287.3
  Top Layer w25: v1(727.5,1677.5) 760,1645 IC4.4
  Bottom Layer w25: LD1.13 v1(727.5,1677.5)
NetIC4_5: IC4.5 LD1.3 | length 973.5
  Top Layer w25: v1(643,1908) 692.5,1858.5 692.5,1660.5 758,1595 IC4.5
  Bottom Layer w25: LD1.3 458,1908 v1(643,1908)
NetIC4_6: IC4.6 LD1.5 | length 1261
  Top Layer w25: v1(725,1058) 725,1529 741,1545 IC4.6
  Bottom Layer w25: LD1.5 592,1058 v1(725,1058)
NetIC4_7: IC4.7 LD1.11 | length 439
  Top Layer w25: IC4.7 v1(900,1495)
  Bottom Layer w25: LD1.11 755,1350 v1(900,1495)
NetIC4_8: IC4.8 LD1.15 | length 1389.4
  Top Layer w25: LD1.15 549,1699 549,1123 668,1004 725,1004 761,1040 761,1445 IC4.8
NetIC4_9: IC4.9 LD1.7 | length 1260.9
  Top Layer w25: IC4.9 900,1395 960,1335 v1(960,1162)
  Bottom Layer w25: LD1.7 442,1008 806,1008 v1(960,1162)
NetIC4_12: IC4.12 LD1.8 | length 2124.1
  Top Layer w25: v1(1135,1395) IC4.12
  Bottom Layer w25: LD1.8 414,936 939,936 997,994 997,1702 1025,1730 1063,1730 1076,1717 1076,1454 v1(1135,1395)
NetIC4_13: IC4.13 LD1.6 | length 2526.3
  Top Layer w25: v1(1141,1319) 1100,1360 1100,1430 1115,1445 IC4.13
  Bottom Layer w25: LD1.6 149,1401 149,1903 259,2013 1013.42,2013 1216,1810.42 1216,1394 v1(1141,1319)
NetIC4_14: IC4.14 LD1.2 | length 1432.5
  Top Layer w25: v1(1111,1495) IC4.14
  Bottom Layer w25: LD1.2 393,1943 928,1943 1126.48,1744.52 1126.48,1580.46 1111,1564.99 v1(1111,1495)
NetIC4_15: IC4.15 LD1.1 | length 1395.7
  Top Layer w25: v1(1146,1545) IC4.15
  Bottom Layer w25: LD1.1 328,1978 964.17,1978 1166.75,1775.42 1166.75,1565.75 v1(1146,1545)
NetIC4_17: IC4.17 J31.4 | length 1983.3
  Top Layer w25: v1(1050,707) 1050,1272 1030,1292 1030,1636 1039,1645 IC4.17
  Bottom Layer w25: J31.4 705,195 945,195 1050,300 v1(1050,707)
NetIC4_18: IC4.18 J31.2 | length 1722.3
  Top Layer w25: 1041,1692.93 1043.07,1695 IC4.18
  Bottom Layer w25: J31.2 1010.59,510.59 1010.59,742.32 1041,772.74 1041,1692.93
NetJ2_2: J2.2 K1.12 K1.24 | length 2874.8
  Top Layer w25: K1.24 2045.28,2602.36 K1.12
  Bottom Layer w25: K1.24 1818.36,2966 3984,2966 J2.2
NetJ3_2: J3.2 R2.1 R4.2 R9.1 R13.2 | length 3871.9
  Top Layer w25: R9.1 2362.6,2885 v1(2515.6,2732) ; R4.2 2437.4,2137.4 2650,2350 R2.1 2650,2600 v1(2782,2732) ; R13.2 2737.4,2732
  Bottom Layer w25: v1(2515.6,2732) 2737.4,2732 v1(2782,2732) 4635.58,2732 4701.79,2798.21 4701.79,2925 4743.79,2967 5083,2967 J3.2
NetJ8_1: J8.1 L2.2 | length 670.7
  Top Layer w25: L2.2 3650,2850 J8.1
NetJ8_2: J8.2 L2.3 | length 712.1
  Top Layer w25: L2.3 3350,2750 J8.2
NetL2_1: L2.1 Q3.2 | length 2955.6
  Bottom Layer w25: Q3.2 1639.7,1489.7 1639.7,1913.7 2300,2574 3226,2574 L2.1
NetQ1_2: Q1.2 R7.1 R10.1 | length 1125.6
  Top Layer w25: R10.1 2900,2950 2950,3000 2967,3000 3150,2817 R7.1 v1(3150,2423)
  Bottom Layer w25: Q1.2 3150,2300 v1(3150,2423)
NetQ2_2: Q2.2 Q4.1 Q5.2 R17.2 | length 1386.3
  Top Layer w25: Q2.2 2001,999 2001,1253.15 Q5.2 2050,1303.15 Q4.1 2050,1639 2075,1664 2309,1664 2437.4,1535.6 R17.2
NetQ2_3: Q2.3 Q5.1 R18.1 | length 1527.3
  Top Layer w25: Q5.1 2150,1100 Q2.3 ; v1(2662.6,1235) R18.1
  Bottom Layer w25: Q5.1 2099,1151 2578.6,1151 v1(2662.6,1235)
NetQ3_1: Q3.1 R18.2 | length 1371.4
  Top Layer w25: v1(2716,1411) 2737.4,1432.4 R18.2
  Bottom Layer w25: Q3.1 1839,1411 v1(2716,1411)
NetQ4_2: Q4.2 R19.2 R20.1 | length 1900.9
  Top Layer w25: Q4.2 2172,1600 2250,1522 2250,1330 2275,1305 2387,1305 2480,1398 2480,1542.5 2437.4,1585.1 R19.2 2437.4,1760 2572,1894.6 2572,2078 2625,2131 2776.99,2131 2776.99,1941.99 2750,1915 2724.8,1915 R20.1
NetR11_2: R11.2 R12.1 | length 231
  Top Layer w25: R12.1 2362.6,2362 2437.4,2436.8 R11.2
VIN: BR2.1 C1.1 Q2.1 Q3.3 R3.1 R17.1 | length 10836.9
  Top Layer w25: Q3.3 1700,1196.85 Q2.1 ; v1(2300.6,1350) 2362.6,1412 R17.1 ; v1(3099,3001) 3162.6,2937.4 R3.1
  Bottom Layer w25: Q3.3 v1(2300.6,1350) ; BR2.1 2940.8,201.91 2500,201.91 ; v1(3099,3001) 1735,3001 1499.7,2765.7 1499.7,1209.3 1862.15,846.85 Q2.1 2550,346.85 2550,251.91 2500,201.91 ; C1.1 5899,560 5441,102 2373,102 2367,108 2367,204 2440.91,204 2443,201.91 2500,201.91
pads on no net: IC3.3 IC3.4 IC3.25 IC3.26 IC3.29 IC4.10 IC4.11 IC4.19 IC4.20 J12.6 J12.8 J31.6 J31.8 J31.9 K1.14 LD1.4 LD1.9 LD1.10 LD1.12 U1.6 U1.7
copper on no net: | length 888.6
  Top Layer w10: 141.42,0 ccw(c0,0) 141.42,0

## Polygon pours and split planes (outlines as drawn)
GND on Top Layer "GND_L01_P001" (solid, pour order 1): 50,3100 50,50 1350,50 1350,3100
GND on Top Layer "GND_L01_P000" (solid, pour order 0): 1450,3100 1450,50 6200,50 6200,3100
GND on Bottom Layer "GND_L02_P003" (solid, pour order 3): 1350,3100 50,3100 50,50 1350,50
GND on Bottom Layer "GND_L02_P002" (solid, pour order 2): 1450,3100 1450,50 6200,50 6200,3100

## Text inside footprints (layer, text, board x,y; h text height)
C1: Top Overlay "+" at 6217.87,530.47 h59.06
C2: Top Overlay "+" at 3070.08,1680.32 h39.37
C4: Top Overlay "+" at 3320.08,1680.32 h39.37
C5: Top Overlay "+" at 2724.13,220.47 h59.06
C10: Top Overlay "+" at 5620.08,1630.32 h39.37